# Altium PCB Bidir_Active_Rectifier-Main_Board.PcbDoc (part 1 of 3) (continued)
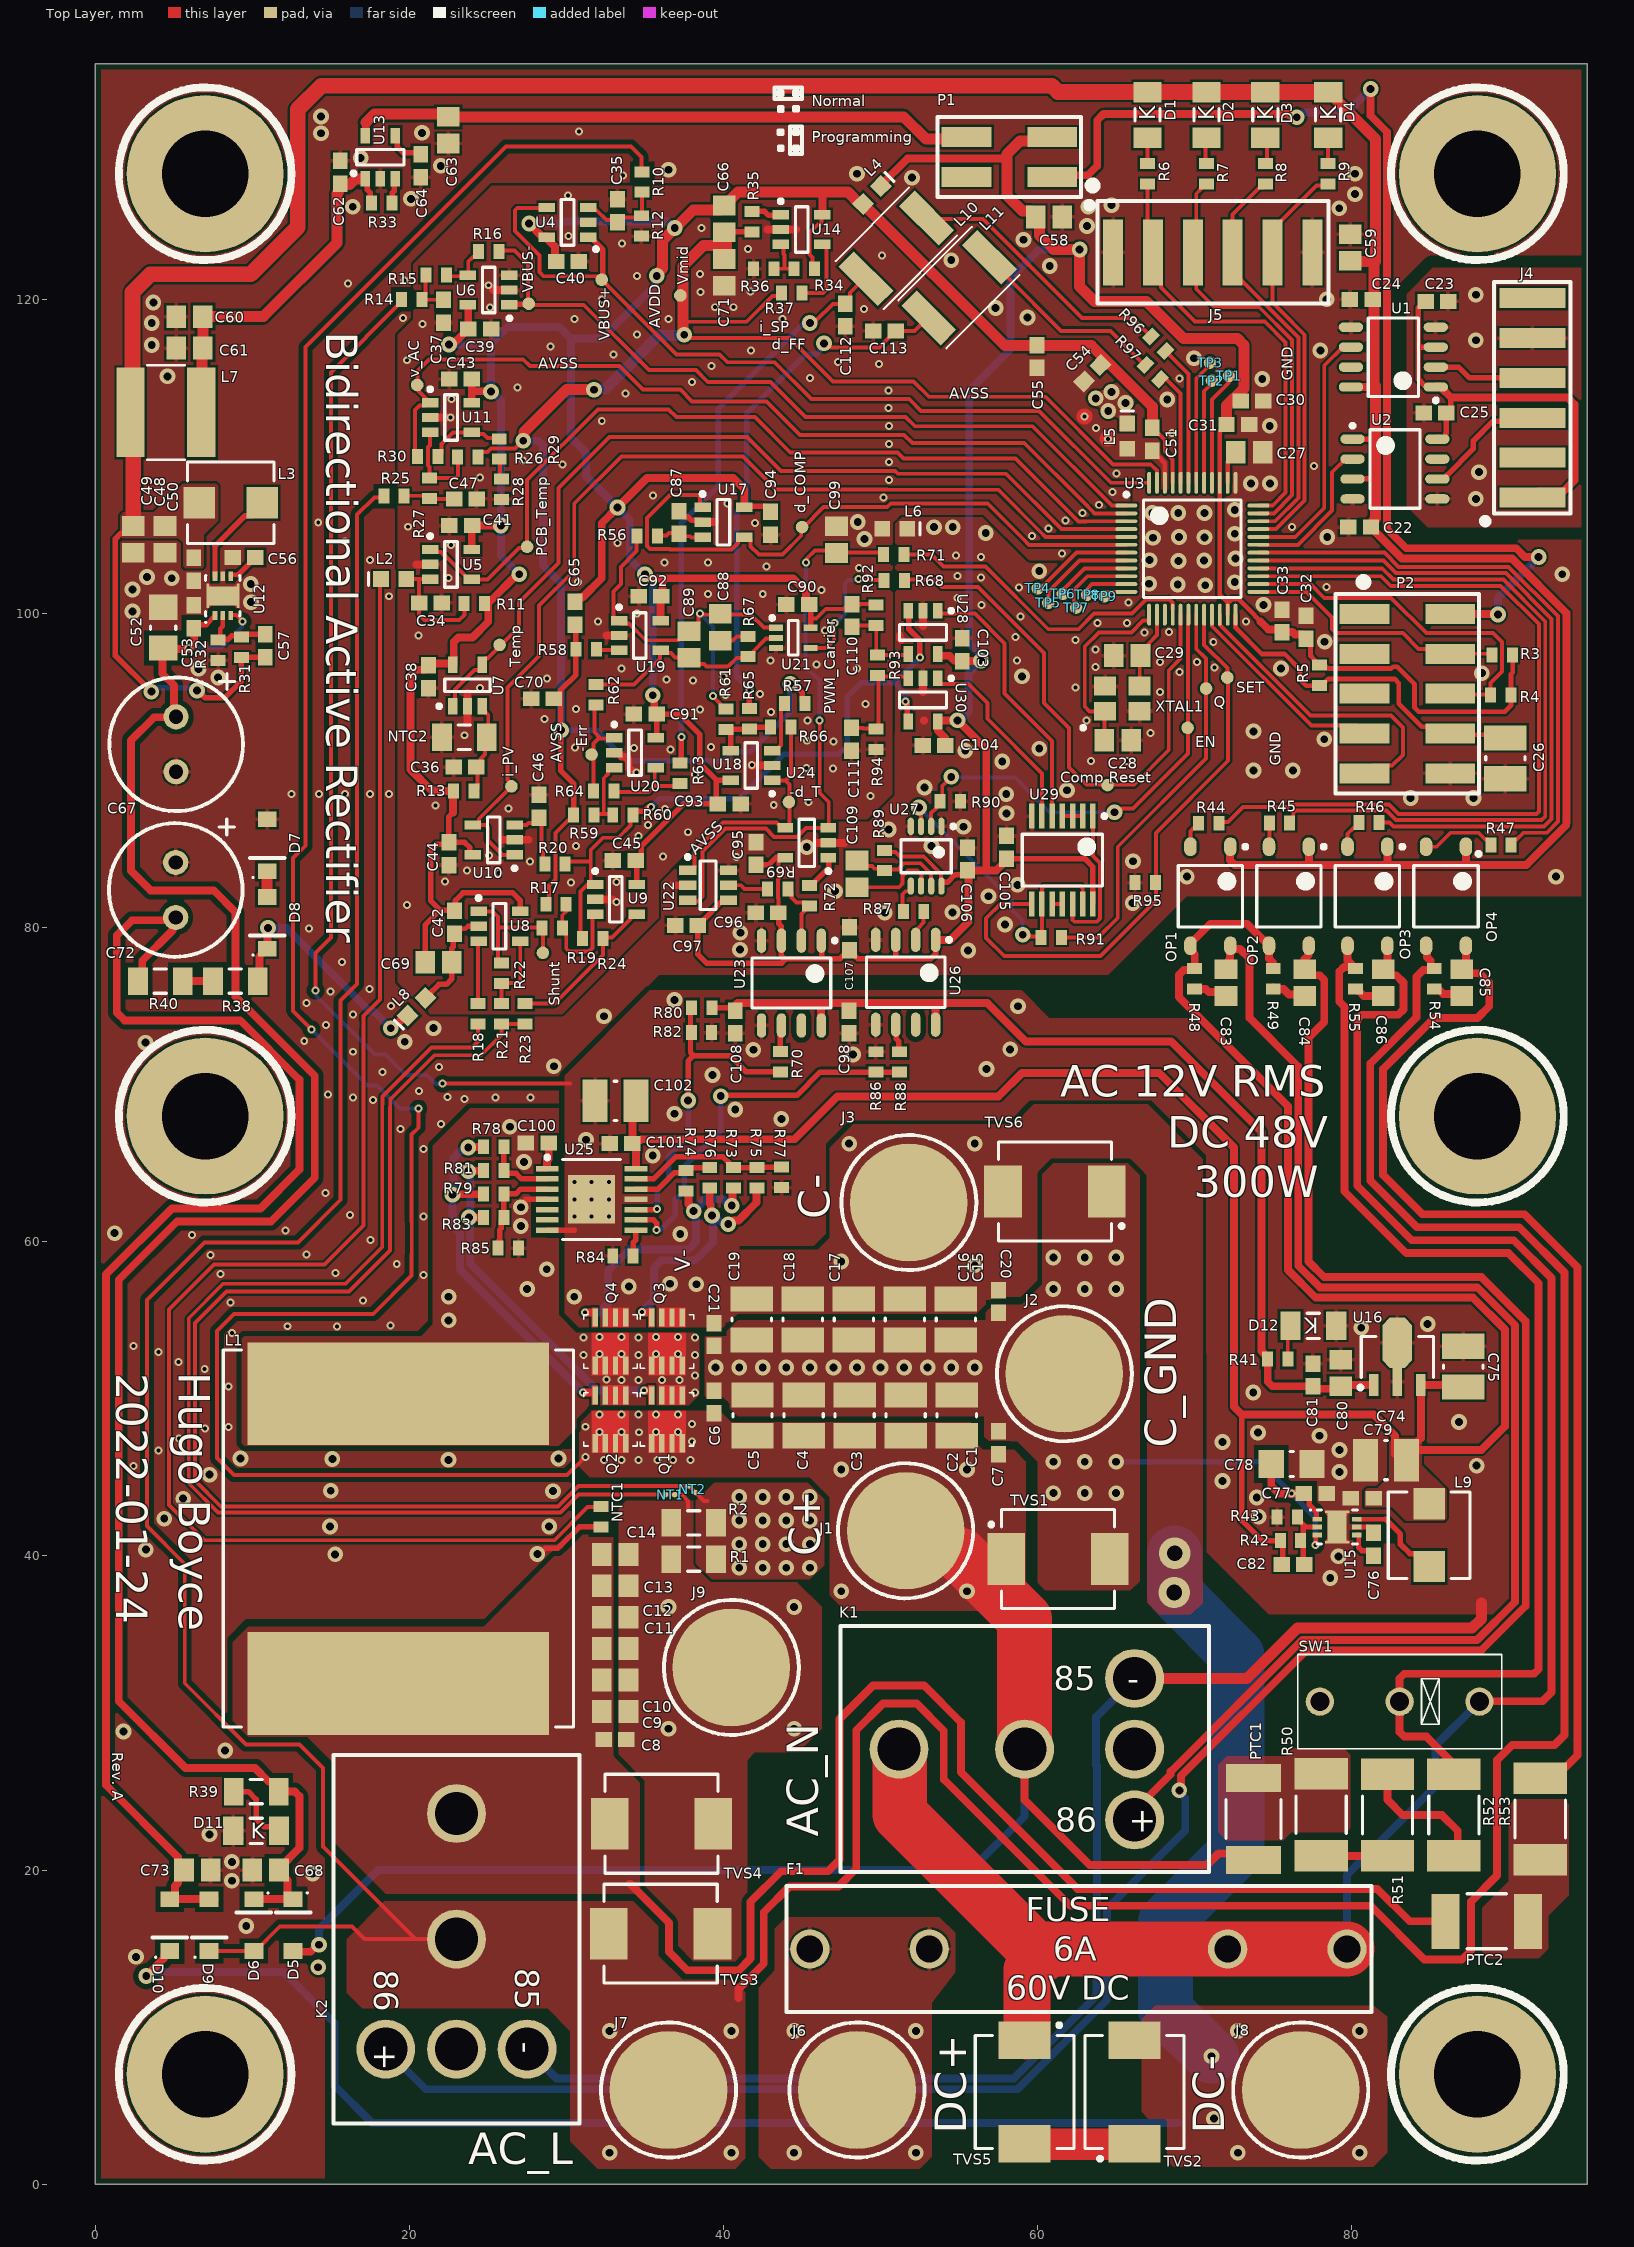
[diagram p0: Top Layer view]
## Components (designator, comment, footprint, x,y, rotation, side; value= is the part's Value field where it differs from the comment) (continued)
R4 "Res1" RESC1608X06N 89.482,94.807 r0 top value=100K
R5 "Res1" RESC1608X06N 77.95,96.075 r90 top value=10K
R6 "Res1" RESC1608X06N 67,128 r90 top value=750R
R7 "Res1" RESC1608X06N 70.75,128 r90 top value=750R
R8 "Res1" RESC1608X06N 74.5,128 r90 top value=750R
R9 "Res1" RESC1608X06N 78.5,128 r90 top value=750R
R10 "Res1" RESC1608X06N 34.825,127.475 r90 top value=27K
R11 "Res1" RESC1608X06N 24.125,100.65 r0 top value=6K2
R12 "Res1" RESC1608X06N 34.775,124.675 r90 top value=3K
R13 "Res1" RESC1608X06N 23.475,88.7 r180 top value=6K2
R14 "Res1" RESC1608X06N 20.15,120 r180 top value=10K
R15 "Res1" RESC1608X06N 21.7,121.55 r180 top value=3K6
R16 "Res1" RESC1608X06N 25.05,123.05 r180 top value=1K3
R17 "Res1" RESC1608X06N 29.335,81.492 r180 top value=43K
R18 "Res1" RESC1608X06N 24.36,74.517 r90 top value=750R
R19 "Res1" RESC1608X06N 29.085,79.967 r0 top value=10K
R20 "Res1" RESC1608X06N 29.275,84.05 r180 top value=27K
R21 "Res1" RESC1608X06N 25.86,74.517 r90 top value=1K
R22 "Res1" RESC1608X06N 25.86,77.092 r90 top value=3K6
R23 "Res1" RESC1608X06N 27.36,74.517 r90 top value=10K
R24 "Res1" RESC1608X06N 31.675,79.3 r180 top value=43K
R25 "Res1" RESC1608X06N 19.025,107.475 r0 top value=10K
R26 "Res1" RESC1608X06N 23.725,109.975 r180 top value=750R
R27 "Res1" RESC1608X06N 21.275,107.975 r270 top value=2K7
R28 "Res1" RESC1608X06N 25.875,107.925 r270 top value=10K
R29 "Res1" RESC1608X06N 25.725,110.475 r270 top value=2K7
R30 "Res1" RESC1608X06N 21.175,110 r0 top value=750R
R31 "Res1" RESC1608X06N 9.325,97.85 r270 top value=52K5
R32 "Res1" RESC1608X06N 7.825,97.675 r90 top value=15K
R33 "Res1" RESC1608X06N 18.25,126.125 r180 top value=100K
R34 "Res1" RESC1608X06N 45.15,121.95 r0 top value=100K
R35 "Res1" RESC1608X06N 41.825,124.95 r90 top value=100R
R36 "Res1" RESC1608X06N 42.575,121.95 r0 top value=100K
R37 "Res1" RESC1608X06N 44.35,120.4 r0 top value=51K
R38 "Res1" RESC3216X06N 8.925,76.6 r0 top value=1K5
R39 "Res1" RESC3216X06N 10.25,25 r0 top value=10K
R40 "Res1" RESC3216X06N 4.15,76.6 r0 top value=1K5
R41 "Res1" RESC1608X06N 75.3,52.525 r180 top value=2K
R42 "Res1" RESC1608X06N 76.1,40.975 r180 top value=180K
R43 "Res1" RESC1608X06N 75.9,42.475 r0 top value=15K
R44 "Res1" RESC1608X06N 70.9,86.65 r0 top value=330R
R45 "Res1" RESC1608X06N 75.4,86.675 r0 top value=330R
R46 "Res1" RESC1608X06N 81.1,86.7 r0 top value=330R
R47 "Res1" RESC1608X06N 89.5,85.25 r0 top value=330R
R48 "Res1" RESC1608X06N 70,76.75 r90 top value=330R
R49 "Res1" RESC1608X06N 75,76.75 r90 top value=330R
R50 "RMCF2512JT100R" RESC6432N 78.05,23.525 r270 top
R51 "RMCF2512JT100R" RESC6432N 82.275,23.5 r90 top
R52 "RMCF2512JT100R" RESC6432N 86.5,23.5 r90 top
R53 "RMCF2512JT100R" RESC6432N 92,23.25 r90 top
R54 "Res1" RESC1608X06N 85.25,76.75 r90 top value=330R
R55 "Res1" RESC1608X06N 80.25,76.75 r90 top value=330R
R56 "Res1" RESC1608X06N 35.15,104.925 r180 top value=27K
R57 "Res1" RESC1608X06N 44.525,94.275 r0 top value=33K
R58 "Res1" RESC1608X06N 31.25,97.725 r180 top value=10K
R59 "Res1" RESC1608X06N 31.1,87.175 r180 top value=100K
R60 "Res1" RESC1608X06N 33.6,87.175 r180 top value=100K
R61 "Res1" RESC1608X06N 40.15,93.275 r90 top value=100K
R62 "Res1" RESC1608X06N 31.875,94.825 r90 top value=50K
R63 "Res1" RESC1608X06N 37.225,89.825 r270 top value=100K
R64 "Res1" RESC1608X06N 32.375,88.7 r180 top value=100K
R65 "Res1" RESC1608X06N 41.65,93.3 r90 top value=100K
R66 "Res1" RESC1608X06N 43.65,92.775 r180 top value=100K
R67 "Res1" RESC1608X06N 41.55,97.9 r90 top value=5K
R68 "Res1" RESC1608X06N 50.875,102.1 r180 top value=10K
R69 "Res1" RESC1608X06N 43.45,82.475 r0 top value=1K
R70 "Res1" RESC1608X06N 43.625,71.475 r270 top value=0R
R71 "Res1" RESC1608X06N 50.85,103.75 r180 top value=4K3
R72 "Res1" RESC1608X06N 45.475,82.025 r270 top value=1K
R73 "Res1" RESC1608X06N 40.625,64.075 r270 top value=4R3
R74 "Res1" RESC1608X06N 37.625,63.875 r270 top value=4R3
R75 "Res1" RESC1608X06N 42.125,64.075 r270 top value=4R3
R76 "Res1" RESC1608X06N 39.125,64.075 r270 top value=4R3
R77 "Res1" RESC1608X06N 43.7,64.1 r90 top value=100K
R78 "Res1" RESC1608X06N 25.375,66.05 r0 top value=4R3
R79 "Res1" RESC1608X06N 25.375,63.05 r0 top value=4R3
R80 "Res1" RESC1608X06N 38.625,74.9 r0 top value=15K
R81 "Res1" RESC1608X06N 25.375,64.55 r0 top value=4R3
R82 "Res1" RESC1608X06N 38.6,73.325 r180 top value=15K
R83 "Res1" RESC1608X06N 25.375,61.55 r0 top value=4R3
R84 "Res1" RESC1608X06N 33.6,59.1 r0 top value=10K
R85 "Res1" RESC1608X06N 26.3,59.6 r180 top value=100K
R86 "Res1" RESC1608X06N 49.7,71.45 r270 top value=15K
R87 "Res1" RESC1608X06N 52.1,81.025 r0 top value=1K
R88 "Res1" RESC1608X06N 51.2,71.45 r270 top value=0R
R89 "Res1" RESC1608X06N 50.25,84.275 r90 top value=100K
R90 "Res1" RESC1608X06N 54.425,88.05 r0 top value=10K
R91 "Res1" RESC1608X06N 60.875,79.375 r180 top value=15K
R92 "Res1" RESC1608X06N 49.7,99.9 r90 top value=15K
R93 "Res1" RESC1608X06N 49.8,96.7 r90 top value=300K
R94 "Res1" RESC1608X06N 49.7,92 r90 top value=15K
R95 "Res1" RESC1608X06N 66.85,82.875 r0 top value=15K
R96 "Res1" RESC1608X06N 67.675,117.175 r135 top value=220R
R97 "Res1" RESC1608X06N 67.325,115.375 r135 top value=220R
SW1 "ZMA03A150P00PC" ZMAxxxxxxP00P 83.05,30.725 r180 top
TP1 "Test_Point_0.8mm" TEST_POINT_0.8mm 72.175,115.125 r90 top
TP2 "Test_Point_0.8mm" TEST_POINT_0.8mm 71.1,114.825 r90 top
TP3 "Test_Point_0.8mm" TEST_POINT_0.8mm 70.975,115.975 r90 top
TP4 "Test_Point_0.8mm" TEST_POINT_0.8mm 60,101.6 r0 top
TP5 "Test_Point_0.8mm" TEST_POINT_0.8mm 60.675,100.675 r0 top
TP6 "Test_Point_0.8mm" TEST_POINT_0.8mm 61.6,101.25 r0 top
TP7 "Test_Point_0.8mm" TEST_POINT_0.8mm 62.45,100.375 r0 top
TP8 "Test_Point_0.8mm" TEST_POINT_0.8mm 63.15,101.2 r0 top
TP9 "Test_Point_0.8mm" TEST_POINT_0.8mm 64.25,101.1 r0 top
TVS1 "SMCJ30A" Littelfuse_DO-214AB 61.3,39.8 r0 top
TVS2 "SMCJ30A" Littelfuse_DO-214AB 59.175,5.875 r270 top
TVS3 "SMCJ20CA" "Littelfuse_DO-214AB _BIDIR" 36,15.95 r180 top
TVS4 "SMCJ20CA" "Littelfuse_DO-214AB _BIDIR" 36.05,22.95 r180 top
TVS5 "SMCJ30A" Littelfuse_DO-214AB 66.175,5.875 r90 top
TVS6 "SMCJ30A" Littelfuse_DO-214AB 61.1,63.2 r180 top
U1 "ISO7710FDR" TI_SOIC-8_D0008A 82.65,116.325 r180 top
U2 "ISO7710FDR" TI_SOIC-8_D0008A 82.75,109.2 r0 top
U3 "M481LIDAE" Nuvoton_LQFP_48L_M 69.85,104.125 r0 top
U4 "MCP6L01T-E/OT" ANALOG_DEVICE_TSOT-23-5_UJ-5 30.075,124.9 r180 top
U5 "MCP6L01T-E/OT" ANALOG_DEVICE_TSOT-23-5_UJ-5 22.65,103.125 r0 top
U6 "MCP6L01T-E/OT" ANALOG_DEVICE_TSOT-23-5_UJ-5 25.046,120.596 r180 top
U7 "MCP6L01T-E/OT" ANALOG_DEVICE_TSOT-23-5_UJ-5 23.7,95.425 r90 top
U8 "AD8615AUJZ-R2" ANALOG_DEVICE_TSOT-23-5_UJ-5 25.735,80.092 r0 top
U9 "AD8615AUJZ-R2" ANALOG_DEVICE_TSOT-23-5_UJ-5 33.15,81.8 r0 top
U10 "MCP6L01T-E/OT" ANALOG_DEVICE_TSOT-23-5_UJ-5 25.372,85.585 r180 top
U11 "MCP6L01T-E/OT" ANALOG_DEVICE_TSOT-23-5_UJ-5 22.656,112.478 r0 top
U12 "S-8580AA-A6T8U7" ABLIC_HSNT-6 8.125,101.125 r90 top
U13 "MAX8877EUK33+T" MAXIM_SOT23-5 18.15,129.05 r90 top
U14 "MCP6L01T-E/OT" ANALOG_DEVICE_TSOT-23-5_UJ-5 44.975,124.45 r0 top
U15 "S-8580AA-A6T8U7" ABLIC_HSNT-6 79.061,41.84 r0 top
U16 "AS78L05RTR-E1" SOT89N 82.9,52.675 r90 top
U17 "MCP6L01T-E/OT" ANALOG_DEVICE_TSOT-23-5_UJ-5 39.997,105.808 r0 top
U18 "AD8615AUJZ-R2" ANALOG_DEVICE_TSOT-23-5_UJ-5 41.775,90.325 r180 top
U19 "AD8615AUJZ-R2" ANALOG_DEVICE_TSOT-23-5_UJ-5 34.675,98.6 r0 top
U20 "AD8615AUJZ-R2" ANALOG_DEVICE_TSOT-23-5_UJ-5 34.369,91.133 r0 top
U21 "TS5A4594DCKR" TI_SC70_M 44.45,98.45 r0 top
U22 "TLV3501AIDBVR" TI_SOT-23-6_DBV0006A 39.025,82.7 r0 top
U23 "ISO7710FDR" TI_SOIC-8_D0008A 44.325,76.475 r270 top
U24 "MAX9140EUK+T" MAXIM_SOT23-5 45.3,85.4 r180 top
U25 "ISL78424AVEZ-T7A" RENESAS_14-HTSSOP_M14.173B 31.6,62.7 r0 top
U26 "ISO7710FDR" TI_SOIC-8_D0008A 51.6,76.525 r270 top
U27 "SN74LVC1G123DCTR" TI_SSOP-8_DCT0008A_M 52.9,84.55 r270 top
U28 "MAX9140EUK+T" MAXIM_SOT23-5 52.7,98.8 r270 top
U29 "SN74LVC02APW" TI_PW_TSSOP-14 61.575,84.3 r270 top
U30 "MAX9140EUK+T" MAXIM_SOT23-5 52.7,94.5 r270 top
XTAL1 "FA-238A 12MHz" Epson_FA-238V 65.4,94.575 r0 top

## Footprints (in the part's own frame and the unit in brackets; to place one, negate y for a bottom-side part, rotate by r counter-clockwise, add the part's x,y. Pads: shape width x height; smd on the part's side, far side on the other; paste and mask are expansions set on the pad)
0ZCG0_BEL_FUSE [mm] "Bel Fuse PPTC"
  rect 1.78x3.5 smd: 1(-2.615,0) 2(2.615,0)
  silkscreen extent -1.25,-1.75 1.25,1.75, body extent -2.35,-1.7 2.35,1.7, height 1.55
6.35x32mm_Glass_Fuse_3529_6A [mm] "6.35x32mm Glass Fuse"
  round 2.5 hole 1.7: 1(0,0) 1(7.6,0) 2(26.6,0) 2(34.2,0)
  silkscreen extent -1.5,-4 35.75,4, body extent -0.22,-3.94 34.47,3.94, height 10.82
91601-306LF [mm] "CONN RCPT 6POS 0.1 GOLD SMD"
  rect 1.27x4.2 smd: 1(-0.018,-0.068) 2(2.522,-0.068) 3(5.062,-0.068) 4(7.602,-0.068) 5(10.142,-0.068) 6(12.682,-0.068)
  silkscreen extent -1.66,-2.49 13.7,3.07, body extent -1.25,-1.66 13.91,1.53, height 7.25
150120RS75000 [mm] "LED 1206 Package"
  rect 1.3x1.8 smd: 1(-1.45,0) 2(1.45,0)
  silkscreen extent -0.4,-0.8 0.4,0.8, body extent -1.6,-0.8 1.6,0.8, height 0.68
7466204R [mm]
  round 7.5 smd: 1(0,0)
  silkscreen extent -4.3,-4.3 4.3,4.3, body extent -3.5,-3.5 3.5,3.5, height 7
10129383-904001BLF [mil] "CONN HEADER SMD 4POS 2.54MM"
  rect 50x125 smd: 1(0,-107.5) 2(0,107.5) 3(100,-107.5) 4(100,107.5)
  silkscreen extent -50,-219 150,180, body extent -50,-145 150,145, height 383
10129383-910001ALF [mil] "CONN HEADER SMD 10POS 2.54MM"
  rect 50x125 smd: 1(0,-107.5) 2(0,107.5) 3(100,-107.5) 4(100,107.5) 5(200,-107.5) 6(200,107.5) 7(300,-107.5) 8(300,107.5) 9(400,-107.5) 10(400,107.5)
  silkscreen extent -90,-180 450,180, body extent -50,-145 450,145, height 381
ABLIC_HSNT-6 [mm] "Ablic (SEIKO) 6 pin 2.0x2.5mm"
  rect 0.6x0.3 smd paste+0 mask+0: 1(-1.25,0.5) 2(-1.25,0) 3(-1.25,-0.5) 4(1.25,-0.5) 5(1.25,0) 6(1.25,0.5)
  rect 1.56x0.16 smd paste-2539.97 mask+0: 7(0,0.975) 7(0,-0.975)
  rect 1.2x2.1 smd paste-2539.97 mask+0: 7(0,0)
  Top Layer region: 0.775,0.9 0.575,0.7 0.575,0.9
  Top Layer region: -0.775,0.9 -0.575,0.7 -0.575,0.9
  Top Layer region: -0.775,-0.9 -0.575,-0.7 -0.575,-0.9
  Top Layer region: 0.775,-0.9 0.575,-0.7 0.575,-0.9 0.7,-0.9
  silkscreen extent -1.73,-1.1 1.28,1.14, body extent -1.14,-0.98 1.14,0.98, height 0.5
Abracon_ASPI-6045S [mm] "Abracon onductor 6mm*6mm*4.5mm"
  rect 1.8x5.7 smd: 1(-2.25,0) 2(2.25,0)
  silkscreen extent -1.2,-3 1.2,3, body extent -3,-3 3,3, height 4.5
ANALOG_DEVICE_TSOT-23-5_UJ-5 [mm] "Analog Devices TSOT-23-5 UJ-5"
  rect 1.05x0.6 smd: 1(-1.325,0.95) 2(-1.325,0) 3(-1.325,-0.95) 4(1.325,-0.95) 5(1.325,0.95)
  silkscreen extent -1.93,-1.45 0.4,1.82, body extent -1.4,-1.45 1.4,1.45, height 1
CAPC1608X09N [mm] "Chip Capacitor, 2-Leads, Body 1.60x0.80mm, IPC Medium Density"
  rect 1.05x0.95 smd: 1(-0.725,0) 2(0.725,0)
  body extent -0.85,-0.45 0.85,0.45, height 0.9
CAPC2012X14N [mm] "Chip Capacitor, 2-Leads, Body 2.00x1.25mm, IPC Medium Density"
  rect 1.25x1.45 smd: 1(-0.85,0) 2(0.85,0)
  body extent -1.07,-0.7 1.07,0.7, height 1.4
CAPC3216X12N [mm] "Chip Capacitor, 2-Leads, Body 3.20x1.60mm, IPC Medium Density"
  rect 1.6x1.8 smd: 1(-1.3,0) 2(1.3,0)
  silkscreen extent -0.1,-0.8 0.1,0.8, body extent -1.75,-0.9 1.75,0.9, height 1.25
CAPC3225X27N [mm] "Chip Capacitor, 2-Leads, Body 3.20x2.50mm, IPC Medium Density"
  rect 1.6x2.7 smd: 1(-1.3,0) 2(1.3,0)
  silkscreen extent -0.1,-1.25 0.1,1.25, body extent -1.75,-1.35 1.75,1.35, height 2.7
CIT_A11xSP [mm] "PC mount Automotive relay"
  round 3.75 hole 2.75: 30(8,0) 85(-7,-4.5) 86(-7,4.5) 87(0,0) 87A(-7,0)
  silkscreen extent -11.73,-7.83 11.73,7.83, body extent -11.7,-7.8 11.7,7.8, height 28.6
ELECTROLYTIC_D8_P3.5_H20 [mm] "Electrolytic Capacitor, 8mm Diameter, 3.5mm Pitch, 20mm Height"
  round 1.6 hole 0.9: 1(-1.75,0) 2(1.75,0)
  silkscreen extent -4.5,-4.25 4.26,4.26, body extent -4,-4 4,4, height 20
Epson_FA-238V [mm] "Epuson 4-SMD XTAL"
  rect 1.4x1.2 smd: 1(-1.1,-0.8) 2(1.1,-0.8) 3(1.1,0.8) 4(-1.1,0.8)
  silkscreen extent -2.62,-1.97 -2.38,-1.73, body extent -1.6,-1.28 1.6,1.22, height 0.7
INDC1608N [mm] "Chip Inductor, Body 1.6x0.8mm, IPC Medium Density"
  rect 1x1 smd: 1(-0.8,0) 2(0.8,0)
  silkscreen extent -1.6,-0.4 -1.6,0.4, body extent -0.87,-0.48 0.87,0.48, height 0.71
INFINEON_PG-TSDSON-8-32 [mm] "Infineon MOSFET TSDSON 3.3x3.3x1mm"
  rect 0.34x1.15 smd paste-2539.97 mask+0: 1(-0.975,-1.525) 2(-0.325,-1.525) 3(0.325,-1.525) 4(0.975,-1.525) 5(-0.975,1.525) 6(-0.325,1.525) 7(0.325,1.525) 8(0.975,1.525)
  rrect53% 0.28x0.52 on Top Paste mask+0.102: A(-0.975,-1.81) D(-0.325,-1.81) E(0.325,-1.81)
  rrect47% 1.58x0.32 on Top Paste mask+0.102: B(-0.325,-1.16)
  rrect53% 0.28x0.95 on Top Paste mask+0.102: C(0.975,-1.595)
  rrect13% 1.11x1.25 on Top Paste mask+0.102: F(0,0.445)
  rrect53% 0.28x1.25 on Top Paste mask+0.102: G(-0.975,0.445) H(0.975,0.445)
  rrect53% 0.28x0.72 on Top Paste mask+0.102: I(-0.975,1.71) J(-0.325,1.71) K(0.325,1.71) L(0.975,1.71)
  Top Layer region: 1.2,-2.17 1.2,-0.9 0.8,-0.9 0.8,-2.17
  Top Layer region: 0.5,-2.17 0.5,-0.9 -1.2,-0.9 -1.2,-2.17
  Top Layer region: 1.2,-0.575 1.2,2.15 -1.2,2.15 -1.2,-0.575
  silkscreen extent -1.7,-1.7 1.7,1.7, body extent -1.65,-1.65 1.65,1.65, height 0.91
Littelfuse_DO-214AB [mm] "Littelfuse DO-214AB"
  rect 2.4x3.3 smd: 1(-3.3,0) 2(3.3,0)
  silkscreen extent -4.37,-3.15 3.6,3.15, body extent -3.77,-3.11 3.77,3.11, height 2.62
"Littelfuse_DO-214AB _BIDIR" [mm] "Littelfuse DO-214AB Non-polarized/Bidirectionnal"
  rect 2.4x3.3 smd: 1(-3.3,0) 2(3.3,0)
  silkscreen extent -3.6,-3.15 3.6,3.15, body extent -3.77,-3.11 3.77,3.11, height 2.62
MAXIM_SOT23-5 [mm] "Maxim SOT23-5 as per Doc. No. 21-0057 rev. B"
  rect 1x0.6 smd: 1(-1.375,0.95) 2(-1.375,0) 3(-1.375,-0.95) 4(1.375,-0.95) 5(1.375,0.95)
  silkscreen extent -1.15,-1.5 0.5,1.82, body extent -1.5,-1.5 1.5,1.5, height 1.45
Net_Tie_0.35mm [mm] "A 0.5mm net tie for signals"
  round 0.35 smd paste+0 mask+0.102: 0(-0.3,0)
  round 0.35 smd mask+0.102: 1(0.3,0)
  Top Layer lines w0.25: -0.3,0 0.3,0
Nuvoton_LQFP_48L_M [mm] "TSQFP, 48-Leads, Body 7.00x7.00mm, Pitch 0.50mm, narrow pads to conform to 3 mil expansion and 4mil min solder mask sliver."
  oval 1.4x0.245 smd: 1(-4.2,2.75) 2(-4.2,2.25) 3(-4.2,1.75) 4(-4.2,1.25) 5(-4.2,0.75) 6(-4.2,0.25) 7(-4.2,-0.25) 8(-4.2,-0.75) 9(-4.2,-1.25) 10(-4.2,-1.75) 11(-4.2,-2.25) 12(-4.2,-2.75) 25(4.2,-2.75) 26(4.2,-2.25) 27(4.2,-1.75) 28(4.2,-1.25) 29(4.2,-0.75) 30(4.2,-0.25) 31(4.2,0.25) 32(4.2,0.75) 33(4.2,1.25) 34(4.2,1.75) 35(4.2,2.25) 36(4.2,2.75)
  oval 0.245x1.4 smd: 13(-2.75,-4.2) 14(-2.25,-4.2) 15(-1.75,-4.2) 16(-1.25,-4.2) 17(-0.75,-4.2) 18(-0.25,-4.2) 19(0.25,-4.2) 20(0.75,-4.2) 21(1.25,-4.2) 22(1.75,-4.2) 23(2.25,-4.2) 24(2.75,-4.2) 37(2.75,4.2) 38(2.25,4.2) 39(1.75,4.2) 40(1.25,4.2) 41(0.75,4.2) 42(0.25,4.2) 43(-0.25,4.2) 44(-0.75,4.2) 45(-1.25,4.2) 46(-1.75,4.2) 47(-2.25,4.2) 48(-2.75,4.2)
  silkscreen extent -4.32,-3.1 3.1,3.57, body extent -4.5,-4.5 4.5,4.5, height 1.5
Pulse_PA4349.XXXANLT [mm] "Molded Inductor, 2-Leads, Body 23.50x22.00mm, IPC Medium Density"
  rect 6.55x19.2 smd: 1(-9.225,0) 2(9.225,0)
  silkscreen extent -12,-11.15 12,11.15, body extent -12.22,-11.15 12.22,11.15, height 13
RENESAS_14-HTSSOP_M14.173B [mm] "Renesas/Intersil 14 pin HTSSOP as per M14.173B"
  rect 1.45x0.35 smd: 1(-2.825,1.95) 2(-2.825,1.3) 3(-2.825,0.65) 4(-2.825,0) 5(-2.825,-0.65) 6(-2.825,-1.3) 7(-2.825,-1.95) 8(2.825,-1.95) 9(2.825,-1.3) 10(2.825,-0.65) 11(2.825,0) 12(2.825,0.65) 13(2.825,1.3) 14(2.825,1.95)
  rect 3x3.1 smd: 15(0,0)
  silkscreen extent -2.95,-2.55 1.85,2.8, body extent -3.2,-2.55 3.2,2.55, height 1.2
RESC1608X06N [mm] "Chip Resistor, 2-Leads, Body 1.55x0.85mm, IPC Medium Density"
  rect 0.7x0.95 smd: 1(-0.65,0) 2(0.65,0)
  body extent -0.8,-0.48 0.8,0.48, height 0.55
RESC3216X06N [mm] "Chip Resistor, 2-Leads, Body 3.25x1.60mm, IPC Medium Density"
  rect 1.25x1.75 smd: 1(-1.425,0) 2(1.425,0)
  silkscreen extent -0.4,-0.77 0.4,0.77, body extent -1.7,-0.87 1.7,0.87, height 0.65
RESC6432N [mm] "Chip Resistor, Body 6.4x3.2mm, IPC Medium Density"
  rect 2x3.4 smd: 1(-2.6,0) 2(2.6,0)
  silkscreen extent -1.2,-1.6 1.2,1.6, body extent -3.3,-1.7 3.3,1.7, height 1.2
SMC-Diodes-Solutions_SOD-123FL [mm] "SODFL, 2-Leads, Body 1.85x3.70mm, IPC Medium Density"
  rect 1x1.2 smd: 1(-1.65,0) 2(1.65,0)
  silkscreen extent -2.1,-1.1 -0.8,1.1, body extent -1.85,-0.97 1.85,0.97, height 1.4
SOT89N [mm] "SOT89, 3-Leads, Body 4.5x2.4 mm, Pitch 1.5mm, Lead Span 4.1mm, IPC Medium Density"
  rect 1.4x0.6 smd: 1(-1.8,1.5) 3(-1.8,-1.5)
  rect 1.8x0.6 smd: 2(-1.6,0)
  oct 3.2x1.9 smd: 2(0.9,0)
  silkscreen extent -2.07,-2.3 1.3,2.47, body extent -1.3,-2.3 1.3,2.3, height 1.6
SRE6603 [mil]
  rect 55x140 smd: 1(-107.5,0) 2(107.5,0)
  silkscreen extent -130,-85 130,85, body extent -130,-88 130,88, height 115
TDK_CLF5030NIT [mm] "Precision Wire Wound Inductor, 2-Leads, Body 5.30x5.00mm, IPC High Density"
  rect 2x2 smd: 1(-2,0) 2(2,0)
  silkscreen extent -2.75,-2.6 2.75,2.6, body extent -2.75,-2.6 2.75,2.6, height 2.99
TEST_POINT_0.8mm [mm] "Round testpoint, 0.8mm"
  round 0.8 smd: 1(0,0)
TI_PW_TSSOP-14 [mm] "Texas Instruments PW package (TSSOP-14) 0.65 pitch"
  rect 1.6x0.35 smd: 1(-2.8,1.95) 2(-2.8,1.3) 3(-2.8,0.65) 4(-2.8,0) 5(-2.8,-0.65) 6(-2.8,-1.3) 7(-2.8,-1.95) 8(2.8,-1.95) 9(2.8,-1.3) 10(2.8,-0.65) 11(2.8,0) 12(2.8,0.65) 13(2.8,1.3) 14(2.8,1.95)
  silkscreen extent -2.92,-2.55 1.65,2.8, body extent -3.2,-2.55 3.2,2.55, height 1.2
TI_SC70_M [mm] "Texas Instruments SC70 (R-PDSO-G5) Narrower pads to fit 3 mil expansion + 4mil sliver"
  rect 0.9x0.395 smd: 1(-1.1,0.65) 2(-1.1,0) 3(-1.1,-0.65) 4(1.1,-0.65) 5(1.1,0.65)
  silkscreen extent -1.47,-1.1 0.3,1.4, body extent -1.2,-1.07 1.2,1.07, height 1.1
TI_SOIC-8_D0008A [mm] "Texas Instruments SOIC-8 as per dwg D0008A"
  oval 1.55x0.6 smd: 1(-2.7,1.905) 2(-2.7,0.635) 3(-2.7,-0.635) 4(-2.7,-1.905) 5(2.7,-1.905) 6(2.7,-0.635) 7(2.7,0.635) 8(2.7,1.905)
  silkscreen extent -2.83,-2.5 1.6,2.88, body extent -3,-2.5 3,2.5, height 1.75
TI_SOT-23-6_DBV0006A [mm] "SOT23, 6-Leads, Body 2.90x2.80mm, Pitch 0.95mm, IPC Medium Density"
  rect 1.1x0.6 smd: 1(-1.3,0.95) 2(-1.3,0) 3(-1.3,-0.95) 4(1.3,-0.95) 5(1.3,0) 6(1.3,0.95)
  silkscreen extent -1.42,-1.55 0.5,1.92, body extent -1.5,-1.53 1.5,1.53, height 1.45
TI_SSOP-8_DCT0008A_M [mm] "Texas Instrument SSOP 8 pins as per DCT0008A - narrower pads to fit 3 mil expansion + 4 mil sliver"
  oval 1.1x0.395 smd: 1(-1.9,0.975) 2(-1.9,0.325) 3(-1.9,-0.325) 4(-1.9,-0.975) 5(1.9,-0.975) 6(1.9,-0.325) 7(1.9,0.325) 8(1.9,0.975)
  silkscreen extent -2.02,-1.6 1.05,1.85, body extent -2,-1.6 2,1.6, height 1.3
Toshiba_2.54SOP4_11-5H1 [mm] "Toshiba optoisolator"
  oval 1.2x0.8 smd: 1(-3.15,1.27) 2(-3.15,-1.27) 3(3.15,-1.27) 4(3.15,1.27)
  silkscreen extent -3.27,-2.05 1.95,2.35, body extent -3.5,-2.05 3.5,2.05, height 2.1
ZMAxxxxxxP00P [mm] "C & K Subminiature punger snap switch SPDT"
  round 1.8 hole 1.22: COM(-5.08,0) NC(5.08,0) NO(0,0)
  silkscreen extent -6.5,-3 6.5,3, body extent -6.38,-2.9 6.42,2.9, height 6.9

## Part data
C1 C2 C3 C4 C15 C16 C17 C18 C19 C102: "CAP CER 10UF 50V X7S 1210", Capacitance=10uF, Case Code (Imperial)=1210, Case Code (Metric)=3225, Dielectric=X7S, Manufacturer=Murata, Max Operating Temperature=125°C, Min Operating Temperature=-55°C, Package Quantity=1000, Ratings=AEC-Q200, Tolerance=10%, Voltage Rating=50V, Case/Package=1210, Category="Ceramic Capacitors", ComponentLink1Description=http://www.farnell.com/datasheets/2356145.pdf?src-supplier=Farnell, ComponentLink1URL=http://www.farnell.com/datasheets/2356145.pdf?src-supplier=Farnell, ComponentLink2Description=http://www.mouser.com/ds/2/281/c03e-806517.pdf?src-supplier=Mouser, ComponentLink2URL=http://www.mouser.com/ds/2/281/c03e-806517.pdf?src-supplier=Mouser, ComponentLink3Description=http://components.arrow.com/part/dataview/0323_07008951?src-supplier=Arrow+Europe, ComponentLink3URL=http://components.arrow.com/part/dataview/0323_07008951?src-supplier=Arrow+Europe, ComponentLink4Description=http://search.murata.co.jp/Ceramy/image/img/A01X/partnumbering_e_02.pdf?src-supplier=Digi-Key, ComponentLink4URL=http://search.murata.co.jp/Ceramy/image/img/A01X/partnumbering_e_02.pdf?src-supplier=Digi-Key, ComponentLink5Description=http://psearch.en.murata.com/capacitor/product/GCM32EC71H106KA03%23.pdf?src-supplier=Avnet, ComponentLink5URL=http://psearch.en.murata.com/capacitor/product/GCM32EC71H106KA03%23.pdf?src-supplier=Avnet, ComponentLink6Description=http://www.farnell.com/datasheets/2356145.pdf?src-supplier=Element14, ComponentLink6URL=http://www.farnell.com/datasheets/2356145.pdf?src-supplier=Element14, Depth=2.5mm, Height=2.5mm, Length=3.2mm, Manufacturer Part Number=GCM32EC71H106KA03L, Mount="Surface Mount", Packaging="Tape and Reel", Pricing 1="1=1.04000, 10=0.79000, 50=0.65600, 100=0.56490, 500=0.43734 (USD)", RoHS=Yes, RoHS Compliant=Yes, Stock 1=5860, Supplier 1=Digi-Key, Termination=SMD/SMT, Thickness=0.106inch, Voltage Rating (DC)=50V, Weight=0.00388oz, Width=2.5mm
  C1 C2 C3 C4 C15 C16 C17 C18 C19: ClassName="Power Components"
C5: "CAP CER 10UF 50V X7S 1210", Case Code (Imperial)=1210, Case Code (Metric)=3225, Dielectric=X7S, Manufacturer=Murata, Max Operating Temperature=125°C, Min Operating Temperature=-55°C, Package Quantity=1000, Ratings=AEC-Q200, Supplier Part Number 1=490-14536-1-ND, Tolerance=10%, Voltage Rating=50V, Case/Package=1210, Category="Ceramic Capacitors", ClassName="Power Components", ComponentLink1Description=http://www.farnell.com/datasheets/2356145.pdf?src-supplier=Farnell, ComponentLink1URL=http://www.farnell.com/datasheets/2356145.pdf?src-supplier=Farnell, ComponentLink2Description=http://www.mouser.com/ds/2/281/c03e-806517.pdf?src-supplier=Mouser, ComponentLink2URL=http://www.mouser.com/ds/2/281/c03e-806517.pdf?src-supplier=Mouser, ComponentLink3Description=http://components.arrow.com/part/dataview/0323_07008951?src-supplier=Arrow+Europe, ComponentLink3URL=http://components.arrow.com/part/dataview/0323_07008951?src-supplier=Arrow+Europe, ComponentLink4Description=http://search.murata.co.jp/Ceramy/image/img/A01X/partnumbering_e_02.pdf?src-supplier=Digi-Key, ComponentLink4URL=http://search.murata.co.jp/Ceramy/image/img/A01X/partnumbering_e_02.pdf?src-supplier=Digi-Key, ComponentLink5Description=http://psearch.en.murata.com/capacitor/product/GCM32EC71H106KA03%23.pdf?src-supplier=Avnet, ComponentLink5URL=http://psearch.en.murata.com/capacitor/product/GCM32EC71H106KA03%23.pdf?src-supplier=Avnet, ComponentLink6Description=http://www.farnell.com/datasheets/2356145.pdf?src-supplier=Element14, ComponentLink6URL=http://www.farnell.com/datasheets/2356145.pdf?src-supplier=Element14, Depth=2.5mm, Height=2.5mm, Length=3.2mm, Mount="Surface Mount", Packaging="Tape and Reel", Pricing 1="1=1.04000, 10=0.79000, 50=0.65600, 100=0.56490, 500=0.43734 (USD)", RoHS=Yes, RoHS Compliant=Yes, Stock 1=5860, Supplier 1=Digi-Key, Termination=SMD/SMT, Thickness=0.106inch, Voltage Rating (DC)=50V, Weight=0.00388oz, Width=2.5mm
C6 C20: "0603 0.1 uF 50 V ±10% Tolerance X7R SMT Multilayer Ceramic Capacitor", Case Code (Imperial)=0603, Case Code (Metric)=1608, Dielectric=X7R, Manufacturer=Yageo, Max Operating Temperature=125°C, Min Operating Temperature=-55°C, Resistor Type=Ceramic, Supplier Part Number 1=311-3567-1-ND, Tolerance=10%, Voltage Rating=50V, Case/Package=0603, Category="Ceramic Capacitors", ClassName="Power Components", ComponentLink1Description=https://datasheet.ciiva.com/26829/getdatasheetpartid-653026-26829414.pdf?src-supplier=Verical, ComponentLink1URL=https://datasheet.ciiva.com/26829/getdatasheetpartid-653026-26829414.pdf?src-supplier=Verical, Depth=0.8mm, Halogen Free="Halogen Free", Height=0.8mm, Lead Free="Lead Free", Length=1.6mm, Mount="Surface Mount", Number of Pins=2, Packaging="Tape and Reel", Pricing 1="1=0.10000, 10=0.06200, 50=0.03380, 100=0.02760, 500=0.01972, 1000=0.01550, 2500=0.01409, 5000=0.01296 (USD)", Radiation Hardening=No, RoHS=Yes, RoHS Compliant=Yes, Series=CC, Stock 1=450496, Supplier 1=Digi-Key, Termination=SMD/SMT, Thickness=0.035inch, Voltage Rating (DC)=50V, Weight=7.1E-05oz, Width=0.031inch
C7 C8 C21 C22 C23 C24 C25 C30 C33 C34 C36 C38 C39 C40 C41 C42 C43 C44 C45 C50 C51 C53 C62 C64 C65 C70 C77 C79 C81 C90 C91 C92 C93 C94 C95 C96 C97 C98 C101 C103 C104 C105 C106 C107 C108 C110 C111: "0603 0.1 uF 50 V ±10% Tolerance X7R SMT Multilayer Ceramic Capacitor", Capacitance=100nF, Case Code (Imperial)=0603, Case Code (Metric)=1608, Dielectric=X7R, Manufacturer=Yageo, Max Operating Temperature=125°C, Min Operating Temperature=-55°C, Resistor Type=Ceramic, Supplier Part Number 1=311-3567-1-ND, Tolerance=10%, Voltage Rating=50V, Case/Package=0603, Category="Ceramic Capacitors", ComponentLink1Description=https://datasheet.ciiva.com/26829/getdatasheetpartid-653026-26829414.pdf?src-supplier=Verical, ComponentLink1URL=https://datasheet.ciiva.com/26829/getdatasheetpartid-653026-26829414.pdf?src-supplier=Verical, Depth=0.8mm, Halogen Free="Halogen Free", Height=0.8mm, Lead Free="Lead Free", Length=1.6mm, Mount="Surface Mount", Number of Pins=2, Packaging="Tape and Reel", Pricing 1="1=0.10000, 10=0.06200, 50=0.03380, 100=0.02760, 500=0.01972, 1000=0.01550, 2500=0.01409, 5000=0.01296 (USD)", Radiation Hardening=No, RoHS=Yes, RoHS Compliant=Yes, Series=CC, Stock 1=450496, Supplier 1=Digi-Key, Termination=SMD/SMT, Thickness=0.035inch, Voltage Rating (DC)=50V, Weight=7.1E-05oz, Width=0.031inch
  C7 C8 C30 C33 C50 C51 C53 C77 C79 C95: ClassName="Power Components", Manufacturer Part Number=CC0603KPX7R9BB104
  C21: ClassName="Power Components"
  C22 C23 C24 C25 C34 C36 C38 C39 C40 C41 C42 C43 C44 C45 C62 C64 C65 C70 C81 C90 C91 C92 C93 C94 C96 C97 C98 C101 C103 C104 C105 C106 C107 C108 C110 C111: Manufacturer Part Number=CC0603KPX7R9BB104
C9 C10 C11 C12 C13 C27 C68 C69 C73 C80: "CAP CER 2.2UF 35V X7S 0805", Capacitance=2.2uF, Case Code (Imperial)=0805, Case Code (Metric)=2012, Manufacturer=Murata, Max Operating Temperature=125°C, Min Operating Temperature=-55°C, Ratings=AEC-Q200, Tolerance=10%, Voltage Rating=35V, Case/Package=0805, Category="Ceramic Capacitors", ComponentLink1Description=http://search.murata.co.jp/Ceramy/image/img/A01X/G101/ENG/GCM21BC7YA225KE02-01.pdf?src-supplier=Digi-Key, ComponentLink1URL=http://search.murata.co.jp/Ceramy/image/img/A01X/G101/ENG/GCM21BC7YA225KE02-01.pdf?src-supplier=Digi-Key, Manufacturer Part Number=GCM21BC7YA225KE02L, Mount="Surface Mount", Packaging="Cut Tape", Pricing 1="1=0.11890, 30000=0.08330, 300000=0.08280, 3000000=0.07990 (USD)", RoHS=Yes, RoHS Compliant=Yes, Stock 1=15, Supplier 1="Arrow Electronics"
  C9 C27: ClassName="Power Components", Supplier Part Number 1=GCM21BC7YA225KE02L
  C10 C11 C12 C13: ClassName="Power Components"
  C68 C69 C73: Supplier Part Number 1=GCM21BC7YA225KE02L
C14: "CAP CER 2.2UF 35V X7S 0805", Capacitance=DNP, Case Code (Imperial)=0805, Case Code (Metric)=2012, Manufacturer=Murata, Max Operating Temperature=125°C, Min Operating Temperature=-55°C, Ratings=AEC-Q200, Tolerance=10%, Voltage Rating=35V, Case/Package=0805, Category="Ceramic Capacitors", ClassName="Power Components", ComponentLink1Description=http://search.murata.co.jp/Ceramy/image/img/A01X/G101/ENG/GCM21BC7YA225KE02-01.pdf?src-supplier=Digi-Key, ComponentLink1URL=http://search.murata.co.jp/Ceramy/image/img/A01X/G101/ENG/GCM21BC7YA225KE02-01.pdf?src-supplier=Digi-Key, Manufacturer Part Number=GCM21BC7YA225KE02L, Mount="Surface Mount", Packaging="Cut Tape", Pricing 1="1=0.11890, 30000=0.08330, 300000=0.08280, 3000000=0.07990 (USD)", RoHS=Yes, RoHS Compliant=Yes, Stock 1=15, Supplier 1="Arrow Electronics"
C26 C74 C75: "CAP CER 10UF 50V X7S 1210", Capacitance=10uF, Case Code (Imperial)=1210, Case Code (Metric)=3225, Dielectric=X7S, Manufacturer=Murata, Max Operating Temperature=125°C, Min Operating Temperature=-55°C, Package Quantity=1000, Ratings=AEC-Q200, Supplier Part Number 1=490-14536-1-ND, Tolerance=10%, Voltage Rating=50V, Case/Package=1210, Category="Ceramic Capacitors", ComponentLink1Description=http://www.farnell.com/datasheets/2356145.pdf?src-supplier=Farnell, ComponentLink1URL=http://www.farnell.com/datasheets/2356145.pdf?src-supplier=Farnell, ComponentLink2Description=http://www.mouser.com/ds/2/281/c03e-806517.pdf?src-supplier=Mouser, ComponentLink2URL=http://www.mouser.com/ds/2/281/c03e-806517.pdf?src-supplier=Mouser, ComponentLink3Description=http://components.arrow.com/part/dataview/0323_07008951?src-supplier=Arrow+Europe, ComponentLink3URL=http://components.arrow.com/part/dataview/0323_07008951?src-supplier=Arrow+Europe, ComponentLink4Description=http://search.murata.co.jp/Ceramy/image/img/A01X/partnumbering_e_02.pdf?src-supplier=Digi-Key, ComponentLink4URL=http://search.murata.co.jp/Ceramy/image/img/A01X/partnumbering_e_02.pdf?src-supplier=Digi-Key, ComponentLink5Description=http://psearch.en.murata.com/capacitor/product/GCM32EC71H106KA03%23.pdf?src-supplier=Avnet, ComponentLink5URL=http://psearch.en.murata.com/capacitor/product/GCM32EC71H106KA03%23.pdf?src-supplier=Avnet, ComponentLink6Description=http://www.farnell.com/datasheets/2356145.pdf?src-supplier=Element14, ComponentLink6URL=http://www.farnell.com/datasheets/2356145.pdf?src-supplier=Element14, Depth=2.5mm, Height=2.5mm, Length=3.2mm, Manufacturer Part Number=GCM32EC71H106KA03L, Mount="Surface Mount", Packaging="Tape and Reel", Pricing 1="1=1.04000, 10=0.79000, 50=0.65600, 100=0.56490, 500=0.43734 (USD)", RoHS=Yes, RoHS Compliant=Yes, Stock 1=5860, Supplier 1=Digi-Key, Termination=SMD/SMT, Thickness=0.106inch, Voltage Rating (DC)=50V, Weight=0.00388oz, Width=2.5mm